# KiCad board SwanGanzInterface_V1.1.kicad_pcb (continued)
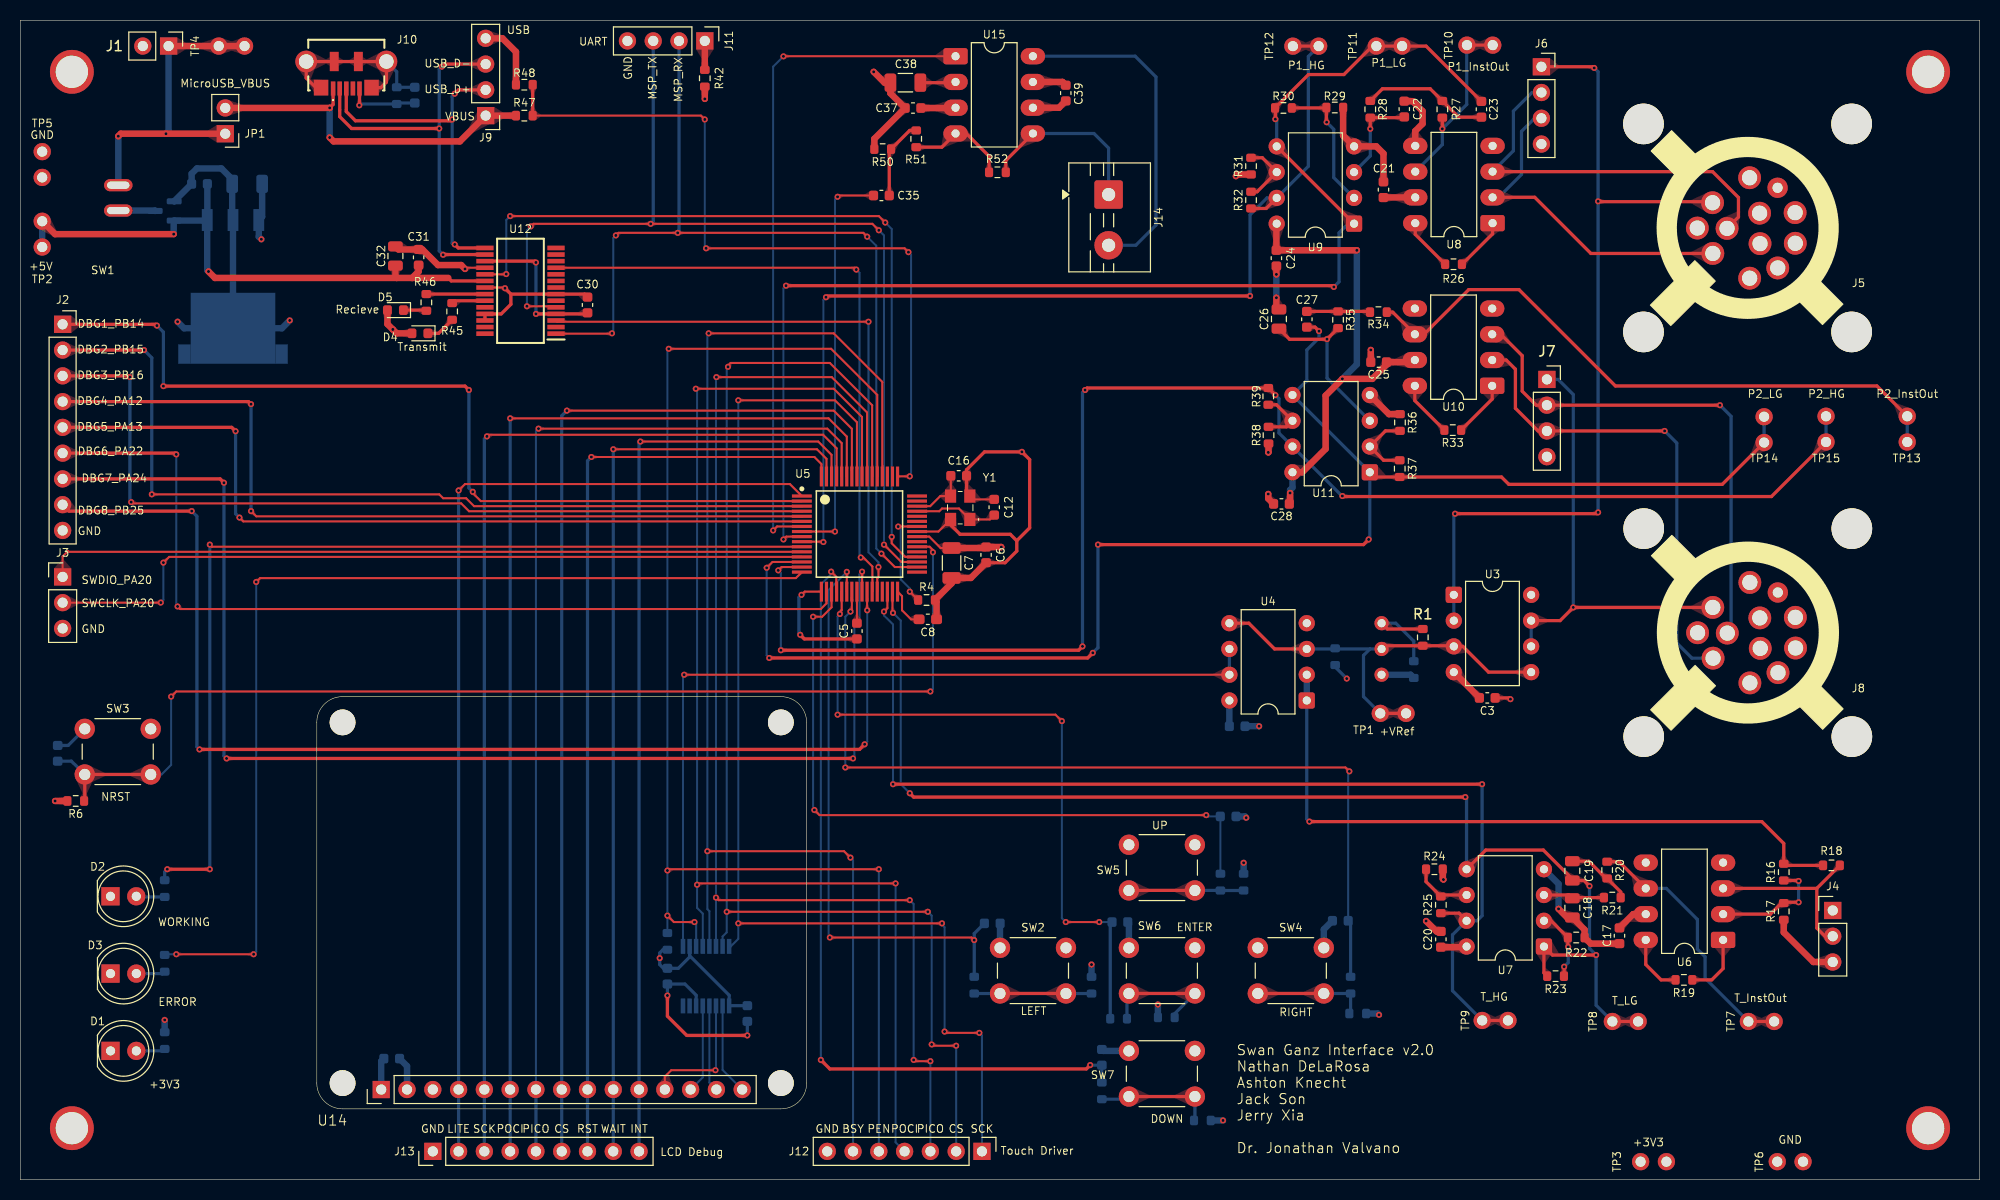
[diagram p0: board, top side]
## Nets
+3V3: C2.1 C3.1 C4.1 C6.1 C7.1 C17.2 C20.1 C21.2 C24.1 C25.2 C28.1 C33.1 C34.1 C36.1 C39.1 D4.2 D5.2 R3.1 R5.1 R6.1 R8.1 R9.1 R12.1 R13.1 R41.1 R42.2 R49.2 TP3.1 TP3.2 U1.3 U3.8 U4.8 U5.40 U6.7 U7.8 U8.7 U9.8 U10.7 U11.8 U13.1 U13.10 U14.1 U15.6
+5V: C1.1 C31.2 C32.2 Q1.2 TP2.1 TP2.2 U1.1 U12.20
+VBUS: J1.1 JP1.1 SW1.1 TP4.1 TP4.2
GND: C1.2 C2.2 C3.2 C4.2 C5.1 C6.2 C7.2 C8.2 C9.2 C10.2 C11.2 C12.1 C13.2 C14.2 C15.2 C16.1 C17.1 C18.2 C20.2 C21.1 C22.2 C24.2 C25.1 C26.2 C28.2 C29.2 C30.2 C31.1 C32.1 C33.2 C34.2 C36.2 C37.1 C38.1 C39.2 D1.1 D2.1 D3.1 J1.2 J2.9 J3.3 J4.3 J5.4 J6.4 J7.4 J8.4 J9.4 J10.5 J11.4 J12.7 J13.1 Q1.1 R2.2 R4.1 R17.2 R22.1 R24.1 R29.1 R31.1 R36.1 R38.1 R40.2 R48.1 R50.2 SW2.1 SW3.1 SW4.1 SW5.1 SW6.1 SW7.1 TP5.1 TP5.2 TP6.1 TP6.2 U1.2 U1.4 U2.3 U3.4 U4.4 U5.17 U5.41 U6.4 U6.5 U7.4 U8.4 U8.5 U9.4 U10.4 U10.5 U11.4 U12.7 U12.18 U12.21 U12.25 U12.26 U13.6 U14.2 U15.7 Y1.2 Y1.4
+VRef: R1.1 R3.2 TP1.1 TP1.2 U2.2 U3.3 U3.5 U4.3 U4.5
/Power/SW_TO_FET: Q1.3 SW1.2
DBG1_PB14: J2.1 U5.2
DBG2_PB15: J2.2 U5.3
DBG3_PB16: J2.3 U5.4
DBG4_PA12: J2.4 U5.5
DBG5_PA13: J2.5 U5.6
DBG6_PA22: J2.6 U5.18
DBG7_PA24: J2.7 U5.25
DBG8_PB25: J2.8 U5.26
FT_+3V3: C30.1 U12.4 U12.17
FT_RST_PA29: U5.36 U12.19
HFXIN: C12.2 U5.45 Y1.1
HFXOUT: C16.2 U5.46 Y1.3
LCD_CS_PB6: J13.6 U5.58 U14.8
LCD_INT_PB10: J13.9 U5.62 U14.11
LCD_LITE_PB13: J13.2 U5.1 U14.4
LCD_PICO_PB8: J13.5 U5.60 U14.7
LCD_POCI_PB7: J13.4 U5.59 U14.6
LCD_RST_PB12: J13.7 U5.64 U14.9
LCD_SCK_PB9: J13.3 U5.61 U14.5
LCD_WAIT_PB11: J13.8 U5.63 U14.10
LCD_X+: U13.2 U14.15
LCD_X-: U13.4 U14.14
LCD_Y+: U13.3 U14.12
LCD_Y-: U13.5 U14.13
LED_ER_PB19: R44.1 U5.16
LED_WRK_PA18: R43.1 U5.11
MICRO_VBUS: J9.1 J10.1 JP1.2 R47.1
MSP_CTS_PB26_FT_RTS: U5.28 U12.3
MSP_NRST: C10.1 R6.2 SW3.2 U5.38
MSP_RTS_PB25_FT_CTS: U5.27 U12.11
MSP_RX_PA1_FT_TX: J11.2 U5.34 U12.1
MSP_TX_PA28_FT_RX: J11.3 U5.35 U12.5
P1__InstrOut: R27.1 TP10.1 TP10.2 U8.6
P1_HG_A1.2: R32.2 TP12.1 TP12.2 U5.10 U9.7
P1_LG_A1.1: C23.2 R30.2 TP11.1 TP11.2 U5.9 U9.1 U9.5
P1_SIG+: J5.2 J6.2 U8.3
P1_SIG-: J5.3 J6.3 U8.2
P1_VCC: J5.1 J6.1 U3.1 U3.2
P2__InstrOut: R34.1 TP13.1 TP13.2 U10.6
P2_HG_A1.5: R39.2 TP15.1 TP15.2 U5.15 U11.7
P2_LG_A1.4: C27.2 R37.2 TP14.1 TP14.2 U5.14 U11.1 U11.5
P2_SIG+: J7.2 J8.2 U10.3
P2_SIG-: J7.3 J8.3 U10.2
P2_VCC: J7.1 J8.1 U3.6 U3.7
PENIRQ_PB5: J12.5 R49.1 U5.53 U13.11
SPEAK_CD_PA14: U5.7 U15.1
SPEAK_DAC_PA15: C35.1 U5.8
SW_DOWN_PB21: C15.1 R15.2 U5.20
SW_DOWN_PB24: C11.1 R10.2 U5.23
SW_ENTER_PB22: C14.1 R14.2 U5.21
SW_LEFT_PB23: C9.1 R7.2 U5.22
SW_UP_PB20: C13.1 R11.2 U5.19
SWCLK_PA20: J3.2 U5.13
SWDIO_PA19: J3.1 U5.12
THERM__HG_A0.1: R25.2 TP9.1 TP9.2 U5.30 U7.7
Therm__InstrOut: R20.1 TP7.1 TP7.2 U6.6
THERM_LG_A0.0: C19.2 R23.2 TP8.1 TP8.2 U5.31 U7.1 U7.5
Therm_Voltage+: R16.1 R18.1 U4.1 U4.2
TOUCH_BSY_PB4: J12.6 U5.52 U13.13
TOUCH_CS0_PA8: J12.2 U5.54 U13.15
TOUCH_PICO_PA9: J12.3 U5.55 U13.14
TOUCH_POCI_PA10: J12.4 U5.56 U13.12
TOUCH_SCK_PA11: J12.1 U5.57 U13.16
Touch_VRef: U4.6 U4.7 U13.9
USB_CBUS0: R45.1 U12.23
USB_CBUS1: R46.1 U12.22
USB_CONN_PA7: R47.2 R48.2 U5.49
USB_D+: J9.2 J10.3 U12.15
USB_D-: J9.3 J10.2 U12.16
USB_MP: C29.1 J10.MH1 J10.MH2 J10.MP1 J10.MP2 J10.MP3 J10.MP4 R40.1
Net-(C19-Pad1): C19.1 R20.2 R21.1
Net-(C23-Pad1): C23.1 R27.2 R28.1
Net-(C27-Pad1): C27.1 R34.2 R35.1
Net-(C35-Pad2): C35.2 R50.1 R51.1
Net-(D1-A): D1.2 R41.2
Net-(D2-A): D2.2 R43.2
Net-(D3-A): D3.2 R44.2
Net-(D4-K): D4.1 R45.2
Net-(D5-K): D5.1 R46.2
Net-(J4-Pin_2): J4.2 R18.2 U6.3
Net-(J11-Pin_1): J11.1 R42.1
Net-(J14-SIG+): J14.1 R52.2 U15.5
Net-(J14-SIG-): J14.2 U15.8
Net-(R1-Pad2): R1.2 R2.1 U2.1
Net-(R5-Pad2): R5.2 R7.1 SW2.2
Net-(R10-Pad1): R8.2 R10.1 SW4.2
Net-(R11-Pad1): R9.2 R11.1 SW5.2
Net-(R12-Pad2): R12.2 R14.1 SW6.2
Net-(R13-Pad2): R13.2 R15.1 SW7.2
Net-(U5-PA2_ROSC): R4.2 U5.42
Net-(U5-PA23_VREF+): C5.2 U5.24
Net-(U5-VCORE): C8.1 U5.32
Net-(U6--IN): R16.2 R17.1 U6.2
Net-(U6-RG+): R19.1 U6.1
Net-(U6-RG-): R19.2 U6.8
Net-(U7A-+): C18.1 R21.2 U7.3
Net-(U7A--): R22.2 R23.1 U7.2
Net-(U7B--): R24.2 R25.1 U7.6
Net-(U8-RG+): R26.1 U8.1
Net-(U8-RG-): R26.2 U8.8
Net-(U9A-+): C22.1 R28.2 U9.3
Net-(U9A--): R29.2 R30.1 U9.2
Net-(U9B--): R31.2 R32.1 U9.6
Net-(U10-RG+): R33.1 U10.1
Net-(U10-RG-): R33.2 U10.8
Net-(U11A-+): C26.1 R35.2 U11.3
Net-(U11A--): R36.2 R37.1 U11.2
Net-(U11B--): R38.2 R39.1 U11.6
Net-(U15-FC1): C37.2 U15.3
Net-(U15-FC2): C38.2 U15.2
Net-(U15-VIN): R51.2 R52.1 U15.4

Pads without a net: H1 1; H2 1; H3 1; H4 1; J4 1; J5 5 6 7 8 9 10 11 12; J8 5 6 7 8 9 10 11 12; J10 4; U5 29 33 37 39 43 44 47 48 50 51; U12 2 6 8 9 10 12 13 14 24 27 28; U13 7 8; U14 3

## Via types
v1: diameter 0.6, hole 0.3, Top to Bottom, 210 vias

## Routing (per net, layer and track width the routed paths; a pad name or vN(x,y) marks a point on that pad's centre or on a via; arc(x,y) is an arc through that point)
+3V3: length 112.8
  Top w0.2: U5.40 89.55,63.4 90.67,62.27 91.75,62.27
  Top w0.318: C3.1 146.69,47.5 v1(146.81,47.37)
  Top w0.635: 91.75,62.27 95.05,62.27 C6.1 96.63,62.37 v1(96.65,62.36) ; U9.8 123.75,94.22 C24.1 v1(131.67,91.62) ; D5.2 36.17,84.35 v1(36.7,83.82) 37.08,83.44 D4.2 ; R42.2 v1(67.44,106.55) ; C28.1 125.1,66.7 v1(125.1,67.7) ; U6.7 158.91,26.18 C17.2 ; C39.1 102.33,105.68 U15.6 ; C20.1 142.43,22.92 U7.8 ; 142.42,22.92 142.48,22.99 ; U8.7 134.31,96.84 C21.2 ; R6.1 v1(3.43,37.34) ; 125.34,69.74 126.29,69.74 128.6,72.05 128.6,77.3 v1(130.25,78.95) 133.2,78.95 134.6,80.35 C25.2 137.19,80.6 U10.7
  Bottom w0.318: C34.1 69.87,17.16 U13.1 69.84,18.18 65.94,22.08 U13.10 65.94,21.95 64.83,20.84 C33.1 63.36,20.84 62.99,21.21 v1(62.99,21.84) 62.99,22.35 63.31,22.67 R49.2 ; R3.1 129.54,50.55 v1(130.68,49.4)
  Bottom w0.635: R8.1 133.73,16.38 v1(133.86,16.26) ; v1(131.67,91.62) 131.67,80.37 v1(130.25,78.95) ; R13.1 v1(118.49,5.84) ; U14.1 35.56,11.68 C36.1 ; v1(23.75,92.71) 23.5,92.96 23.5,94.61 23.83,94.94 C2.1 ; C4.1 119.11,47.24 U4.8 ; 125.34,69.74 125.34,68.23 125.1,68 v1(125.1,67.7) ; v1(112.08,17.27) R12.1 ; 14.22,14.54 v1(14.22,15.75) ; R9.1 v1(120.52,31.24) ; R5.1 v1(105.54,21.21)
+5V: length 59.7
  Top w0.318: U12.20 42.46,88.6 42.16,88.9
  Top w0.635: C32.2 36.96,89.03 37.08,88.9 ; v1(18.54,89.53) 19.18,88.9 37.08,88.9 ; v1(15.11,93.22) 3.43,93.22 TP2.2 ; C31.2 39.24,89.53 38.61,88.9 ; 37.08,88.9 38.61,88.9 ; 38.61,88.9 42.16,88.9
  Bottom w0.635: v1(15.11,93.22) 15.11,94.51 Q1.2 18.36,94.55 U1.1 ; U1.1 18.41,89.66 v1(18.54,89.53) ; U1.1 18.43,94.62 C1.1 ; TP2.2 TP2.1
+VBUS: length 31.7
  Top w0.635: v1(9.65,102.87) 9.9,103.12 v1(14.35,103.12) JP1.1 ; TP4.2 TP4.1 J1.1
  Bottom w0.635: v1(14.35,103.12) 14.61,103.38 J1.1 ; v1(9.65,102.87) SW1.1
GND: length 241.3
  Top w0.2: v1(76.96,57.66) 77.28,57.97 U5.17 ; U5.41 90.46,63.9 Y1.4 ; C12.1 93.88,67.07 Y1.2 ; U12.18 43.93,89.9 v1(43.82,89.79) ; v1(47.75,87.88) 47.68,87.95 U12.21
  Top w0.318: C6.2 97.02,60.82 98.17,61.98 98.17,62.99 ; 98.17,62.99 97.54,63.63 92.58,63.63 91.65,64.56 Y1.4 ; 98.17,62.99 99.44,64.26 99.44,70.99 v1(98.68,71.75) 95,71.75 93.22,69.98 C16.1 93.22,67.72 Y1.2 ; 48.33,87.3 U12.7 55.58,87.3 C30.2 ; 48.33,87.3 48.33,86.3 47.38,85.35 U12.25 U12.26 ; 48.33,87.3 v1(47.75,87.88) ; v1(33.4,105.92) 33.42,105.93 J10.5 ; v1(63.75,18.16) 63.75,16.13 65.66,14.22 v1(71.63,14.22) ; v1(76.84,53.72) 77.24,53.31 C5.1
  Top w0.635: U8.5 137.43,103.38 138.15,104.1 138.15,105.35 137.17,106.32 C22.2 ; R24.1 140.14,29.65 v1(140.21,29.59) ; R17.2 173.74,24.38 176.66,21.46 J4.3 ; v1(151.55,26.7) 152.4,25.85 152.9,25.85 ; v1(122.95,67.6) 122.95,67.15 C28.2 ; R50.2 84.14,102.61 87.18,105.65 85.72,107.1 C38.1 85.14,108.15 v1(84.07,109.22) ; v1(133.05,81.8) C25.1 ; R48.1 48.83,111.19 47.5,112.52 J9.4 ; C39.2 102.68,108.22 U15.7 ; C26.2 123.75,86.05 v1(123.75,86.95) ; R36.1 134.84,75.47 U11.4 ; v1(119.76,98.93) 119.93,99.1 R31.1 ; 143.75,47.5 143.75,47.52 U3.4 ; C24.2 v1(123.75,89.25) ; 157.55,23.27 154.72,23.27 R22.1 154.11,24.64 152.91,25.85 ; 150.38,71.25 J7.4 ; v1(122.95,71.7) 122.97,71.72 R38.1 ; v1(43.82,89.79) 43.43,90.17 41.15,90.17 39.61,91.71 C31.1 37.26,91.71 36.96,92.01 ; C8.2 90.27,56.99 R4.1 91.75,58.79 C7.2 93.65,59.32 C6.2 ; C20.2 139.53,24.47 v1(138.5,25.5) ; C21.1 134.3,101.16 133.59,101.87 U9.4 130.32,102.94 R29.1
  Bottom w0.318: v1(76.96,57.66) 76.71,57.4 76.71,53.85 v1(76.84,53.72) ; U13.6 66.59,18.18 65.48,19.29 C33.2 v1(63.75,18.16) ; C34.2 v1(71.63,14.22) ; C29.2 37.19,106.15 R40.2 33.53,106.04 v1(33.4,105.92) ; SW3.1 4.71,42.81 C10.2
  Bottom w0.635: U2.3 136.97,49.78 R2.2 ; v1(26.54,84.71) 25.77,83.94 U1.4 ; C36.2 38.1,11.2 U14.2 ; C15.2 106.69,12.7 SW7.1 ; 150.1,30.61 151.55,29.16 v1(151.55,26.7) ; SW2.1 96.52,25.26 C9.2 ; C11.2 128.42,24.67 SW4.1 ; U1.4 16.14,83.94 v1(15.49,84.58) ; U1.4 U1.2 20.88,94.69 C2.2 20.88,98.63 19.81,99.69 17.4,99.69 16.88,99.17 C1.2 Q1.1 ; C14.2 109.22,25.29 SW6.1 ; 133.05,77.45 U11.4 ; C4.2 v1(122.05,44.7) ; v1(123.75,89.25) v1(123.75,86.95) ; v1(120.78,35.69) 120.65,35.81 C13.2
+VRef: length 41.9
  Top w0.318: U4.5 121.03,54.86 123.57,52.32 U4.3 ; TP1.1 TP1.2 ; U3.5 144.65,50.04 142.11,52.58 U3.3 141.16,52.64 R1.1 134.43,52.64 U2.2
  Bottom w0.318: 132.97,52.32 129.6,52.32 R3.2 129.48,52.32 U4.3 ; 132.97,52.32 U2.2 ; 132.97,52.32 132.33,51.69 132.33,47.62 TP1.1
/Power/SW_TO_FET: length 3.7
  Bottom w0.635: Q1.3 13.25,95.54 SW1.2
DBG1_PB14: length 88.9
  Top w0.2: v1(44.58,67.82) 44.58,67.69 45.37,66.9 U5.2
  Top w0.318: v1(14.1,78.23) 43.82,78.23 v1(44.2,77.85) ; J2.1 13.34,84.33 v1(13.46,84.2)
  Bottom w0.318: v1(14.1,78.23) 14.1,83.57 v1(13.46,84.2) ; v1(44.2,77.85) 44.2,68.2 v1(44.58,67.82)
DBG2_PB15: length 87.1
  Top w0.2: U5.3 44.7,66.4 43.92,67.18 41.66,67.18 41.27,67.56 v1(12.95,67.56)
  Top w0.318: J2.2 v1(12.19,81.79)
  Bottom w0.318: v1(12.19,81.79) 12.95,81.03 v1(12.95,67.56)
DBG3_PB16: length 85.5
  Top w0.2: v1(10.92,66.8) 11.05,66.67 43.43,66.67 44.21,65.9 U5.4
  Top w0.318: J2.3 10.67,79.25 v1(10.8,79.12)
  Bottom w0.318: v1(10.8,79.12) 10.8,66.93 v1(10.92,66.8)
DBG4_PA12: length 83.7
  Top w0.2: v1(22.73,65.91) 23.25,65.4 U5.5
  Top w0.318: v1(22.73,76.45) 22.48,76.71 J2.4
  Bottom w0.318: v1(22.73,76.45) v1(22.73,65.91)
DBG5_PA13: length 81.4
  Top w0.2: U5.6 21.97,64.9 v1(21.59,65.28)
  Top w0.318: J2.5 20.83,74.17 v1(21.21,73.79)
  Bottom w0.318: v1(21.21,73.79) 21.21,65.66 v1(21.59,65.28)
DBG6_PA22: length 91.7
  Top w0.2: v1(15.49,56.51) 15.75,56.26 78.87,56.26 79.42,56.82 U5.18
  Top w0.318: v1(15.37,71.5) 15.24,71.63 J2.6
  Bottom w0.2: v1(15.37,71.5) 15.37,56.64 v1(15.49,56.51)
DBG7_PA24: length 125.8
  Top w0.2: v1(82.93,59.94) 82.93,57.98 U5.25
  Top w0.318: v1(82.04,41.53) v1(20.32,41.53) ; J2.7 19.69,69.09 v1(20.07,68.71)
  Bottom w0.2: v1(82.93,59.94) 82.68,59.69 82.68,55.12 82.17,54.61 82.17,41.78 82.04,41.66 v1(82.04,41.53)
  Bottom w0.318: v1(20.32,41.53) 20.07,41.78 v1(20.07,68.71)
DBG8_PB25: length 117.7
  Top w0.2: v1(83.44,56.13) 83.43,56.15 U5.26
  Top w0.318: v1(16.89,65.91) 4.8,65.91 J2.8 ; v1(83.19,42.93) 82.68,42.42 v1(17.65,42.42)
  Bottom w0.2: v1(83.19,42.93) 83.44,43.18 v1(83.44,56.13)
  Bottom w0.318: v1(17.65,42.42) 17.4,42.67 17.4,65.4 v1(16.89,65.91)
FT_+3V3: length 15.3
  Top w0.318: C30.1 55.78,85.35 U12.4 v1(50.8,85.35) ; U12.17 50.67,90.55 v1(50.8,90.42)
  Bottom w0.318: v1(50.8,85.35) v1(50.8,90.42)
FT_RST_PA29: length 80.1
  Top w0.2: v1(47.88,89.28) 47.85,89.25 U12.19 ; v1(85.22,94.36) 84.58,95 v1(48.26,95) ; v1(85.85,63.37) 85.85,62.74 87.19,61.4 U5.36
  Bottom w0.2: v1(85.22,94.36) 85.85,93.73 v1(85.85,63.37) ; v1(47.88,89.28) 47.88,94.61 v1(48.26,95)
HFXIN: length 8.3
  Top w0.2: 95.95,65.52 95.53,65.09 Y1.1 92.48,66.17 90.81,66.17 90.54,65.9 U5.45
HFXOUT: length 5.7
  Top w0.2: U5.46 89.64,66.4 90.63,67.39 Y1.3 91.68,67.42 91.68,69.39
LCD_CS_PB6: length 106.8
  Top w0.2: U5.58 81.92,74.03 80.14,75.82 v1(53.85,75.82)
  Bottom w0.318: v1(53.85,75.82) 53.34,75.31 U14.8 J13.6
LCD_INT_PB10: length 91.5
  Top w0.2: v1(61.09,72.77) 78.61,72.77 79.93,71.46 U5.62
  Bottom w0.318: v1(61.09,72.77) 60.96,72.64 U14.11 J13.9
LCD_LITE_PB13: length 99.7
  Top w0.2: U5.1 75.82,68.58 43.82,68.58 v1(43.18,67.94)
  Bottom w0.318: v1(43.18,67.94) U14.4 J13.2
LCD_PICO_PB8: length 105.1
  Top w0.2: U5.60 80.93,72.62 79.5,74.04 v1(51.05,74.04)
  Bottom w0.2: v1(51.05,74.04) 50.8,73.79 U14.7
  Bottom w0.318: J13.5 U14.7
LCD_POCI_PB7: length 110.1
  Top w0.2: U5.59 81.43,73.26 79.63,75.06 v1(48.26,75.06)
  Bottom w0.318: v1(48.26,75.06) U14.6 J13.4
LCD_RST_PB12: length 92.8
  Top w0.2: v1(56.26,71.25) 78.23,71.25 78.93,70.55 U5.64
  Bottom w0.318: v1(56.26,71.25) 55.88,70.87 U14.9 J13.7
LCD_SCK_PB9: length 108.4
  Top w0.2: v1(45.97,73.28) 46.13,73.44 79.09,73.44 80.42,72.1 U5.61
  Bottom w0.318: J13.3 U14.5 45.72,73.02 v1(45.97,73.28)
LCD_WAIT_PB11: length 92.4
  Top w0.2: U5.63 79.42,71.07 78.49,72.01 v1(58.42,72.01)
  Bottom w0.318: J13.8 U14.10 v1(58.42,72.01)
LCD_X+: length 9
  Bottom w0.2: U13.2 69.19,10.82 U14.15
LCD_X-: length 8.5
  Bottom w0.2: U14.14 67.89,9.58 U13.4
LCD_Y+: length 12.9
  Top w0.2: U14.12 63.5,10.16 64.13,10.79 v1(68.49,10.79)
  Bottom w0.2: v1(68.49,10.79) 68.54,10.84 U13.3
LCD_Y-: length 8.7
  Bottom w0.2: U13.5 67.24,10.09 U14.13
LED_ER_PB19: length 99.8
  Top w0.2: v1(22.99,22.22) v1(15.37,22.22) ; v1(23.24,58.93) 23.62,59.31 76.41,59.31 U5.16
  Bottom w0.2: v1(15.37,22.22) 14.29,22.22 R44.1 ; v1(22.99,22.22) 23.24,22.48 v1(23.24,58.93)
LED_WRK_PA18: length 95.8
  Top w0.2: v1(18.67,62.61) 18.88,62.4 U5.11
  Top w0.318: v1(14.48,30.61) v1(18.67,30.61)
  Bottom w0.318: v1(14.48,30.61) 14.22,30.35 R43.1 ; v1(18.67,30.61) v1(18.67,62.61)
MICRO_VBUS: length 34.8
  Top w0.318: v1(30.48,105.66) 30.82,106 J10.1
  Top w0.635: v1(30.48,105.66) 30.48,105.66 20.19,105.66 ; v1(30.48,102.74) 30.86,102.36 43.31,102.36 J9.1 R47.1
  Bottom w0.635: v1(30.48,102.74) v1(30.48,105.66)
MSP_CTS_PB26_FT_RTS: length 57.9
  Top w0.2: v1(83.57,84.58) 52.9,84.58 U12.3 ; U5.28 84.42,59.28 84.55,59.4 v1(84.55,60.4)
  Bottom w0.2: v1(84.55,60.4) 84.55,60.87 83.57,61.85 v1(83.57,84.58)
MSP_NRST: length 112.2
  Top w0.2: v1(89.92,61.85) 89.92,62.07 89.59,62.4 U5.38 ; v1(14.86,47.62) 15.37,48.13 v1(89.66,48.13)
  Top w0.318: SW3.2 SW3.2 6.35,37.4 R6.2
  Bottom w0.2: v1(89.92,61.85) 89.92,48.39 v1(89.66,48.13) ; SW3.2 13.91,39.95 14.86,40.89 v1(14.86,47.62)
  Bottom w0.318: C10.1 5.04,41.26 SW3.2
MSP_RTS_PB25_FT_CTS: length 62.2
  Top w0.2: v1(82.36,89.73) 82.18,89.9 U12.11 ; v1(82.8,61.34) 83.06,61.34 83.95,60.45 83.95,58 U5.27
  Bottom w0.2: v1(82.36,89.73) 82.68,89.41 82.68,61.47 v1(82.8,61.34)
MSP_RX_PA1_FT_TX: length 95.2
  Top w0.2: U5.34 86.16,60.4 v1(84.84,61.72) ; v1(83.44,92.96) 83.06,93.34 v1(64.77,93.34) 58.93,93.34 v1(58.67,93.09) ; v1(58.29,83.44) 58.26,83.4 U12.1
  Bottom w0.2: v1(58.29,83.44) 58.42,83.57 58.42,92.84 v1(58.67,93.09) ; v1(84.84,61.72) 84.33,62.23 84.33,92.07 v1(83.44,92.96)
  Bottom w0.318: v1(64.77,93.34) 64.9,93.47 J11.2
MSP_TX_PA28_FT_RX: length 98.9
  Top w0.2: v1(85.09,62.61) 86.8,60.9 U5.35 ; v1(84.58,93.6) 83.95,94.23 v1(62.1,94.23) 50.55,94.23 v1(50.29,93.98) ; U12.5 52.68,86.11 v1(49.91,86.11)
  Bottom w0.2: v1(84.58,93.6) 85.09,93.09 v1(85.09,62.61) ; v1(50.29,93.98) 49.91,93.6 v1(49.91,86.11)
  Bottom w0.318: J11.3 62.36,94.49 v1(62.1,94.23)
P1__InstrOut: length 18.2
  Top w0.318: TP10.2 TP10.1 ; v1(140.1,103.6) R27.1
  Bottom w0.318: U8.6 140.1,102.05 v1(140.1,103.6) 142.5,106 142.5,111.82 TP10.1
P1_HG_A1.2: length 101.7
  Top w0.2: v1(79.12,62.86) 79.09,62.9 U5.10 ; 79.5,87.12 v1(79.38,86.99)
  Top w0.318: v1(121.16,87.12) 79.5,87.12 ; TP12.1 TP12.2 ; R32.2 122.74,95.75 U9.7
  Bottom w0.2: v1(79.38,86.99) 79.12,86.74 v1(79.12,62.86)
  Bottom w0.318: v1(121.16,87.12) 121.16,95.12 122.82,96.79 U9.7 126.9,99.91 126.9,110.73 TP12.2
P1_LG_A1.1: length 128.2
  Top w0.2: U5.9 75.46,63.4 v1(75.18,63.12)
  Top w0.318: C23.2 138.5,111.75 133.2,111.75 130.4,108.95 126.91,108.95 R30.2 123.65,105.63 v1(123.65,104.55) ; U9.5 U9.1 ; v1(129.41,88.01) 129.29,88.14 v1(75.44,88.14)
  Bottom w0.2: v1(75.18,63.12) 75.18,87.88 v1(75.44,88.14)
  Bottom w0.318: U9.5 123.78,104.42 v1(123.65,104.55) ; v1(129.41,88.01) 129.92,88.52 129.92,93.34 130.83,94.25 U9.1
P1_SIG+: length 39.3
  Top w0.318: U8.3 166.72,99.38 169.27,96.83 169.27,94.91 J5.2
  Bottom w0.318: U8.3 147.1,101.43 147.1,105.35 148.93,107.18 150,107.18
P1_SIG-: length 34.7
  Top w0.318: U8.2 145.06,96.85 149.2,96.85 154.74,91.31 J5.3
  Bottom w0.318: U8.2 145.64,96.84 147.9,99.1 147.9,103.35 149.19,104.64 150,104.64
P1_VCC: length 85.2
  Top w0.318: v1(155.07,109.6) 154.95,109.72 150,109.72 ; v1(141.35,65.66) 155.32,65.66 v1(155.45,65.79) ; v1(155.45,96.45) 155.7,96.45 155.73,96.42 166.81,96.42
  Bottom w0.318: v1(155.07,109.6) 155.45,109.22 v1(155.45,96.45) v1(155.45,65.79) ; U3.2 U3.1 141.23,65.54 v1(141.35,65.66)
P2__InstrOut: length 61.7
  Top w0.318: 185.9,75.26 182.91,78.25 157.15,78.25 147.65,87.75 142.7,87.75 138.29,83.34 U10.6 135.21,85.52 R34.1
  Bottom w0.318: 185.9,75.26 TP13.1
P2_HG_A1.5: length 149.9
  Top w0.2: U5.15 75,60.4 v1(74.68,60.07)
  Top w0.318: v1(130.25,67.4) 130.3,67.35 172.53,67.35 TP15.1 ; v1(123.65,77.35) R39.2 105.1,78.05 v1(104.9,77.85) ; v1(74.93,52.2) 104.27,52.2 v1(104.65,52.58)
  Bottom w0.2: v1(74.68,60.07) 74.93,59.82 v1(74.93,52.2)
  Bottom w0.318: v1(123.65,77.35) 124,77 124,73.61 130.22,67.4 ; v1(104.65,52.58) 104.65,77.6 v1(104.9,77.85) ; 177.9,75.26 TP15.1
P2_LG_A1.4: length 152.3
  Top w0.2: v1(73.53,60.32) 74.11,60.9 U5.14
  Top w0.318: TP14.1 167.67,68.55 146.65,68.55 145.92,69.27 R37.2 133.42,69.27 U11.1 ; v1(127.95,83.65) 127.55,84.05 C27.2 ; v1(73.79,51.43) 105.16,51.43 v1(105.66,51.94) ; v1(106.17,62.61) 132.33,62.61 v1(132.84,63.12)
  Bottom w0.2: v1(73.79,51.43) 73.53,51.69 v1(73.53,60.32)
  Bottom w0.318: TP14.2 TP14.1 ; v1(106.17,62.61) 106.17,52.45 v1(105.66,51.94) ; v1(132.84,63.12) 132.95,63.23 U11.1 125.34,77.36 126.75,78.77 126.75,81.8 127.95,83 v1(127.95,83.65)
P2_SIG+: length 50.5
  Top w0.318: U10.3 145.86,83.34 147.97,81.23 147.97,77.73 149.34,76.35 J7.2 167.44,76.35 v1(167.45,76.35)
  Bottom w0.318: v1(167.45,76.35) 168.55,75.25 168.55,54.26 J8.2
P2_SIG-: length 47.7
  Top w0.318: U10.2 145.01,80.8 146.4,80.8 147.3,79.9 147.3,76.05 149.53,73.81 J7.3 v1(162,73.81)
  Bottom w0.318: v1(162,73.81) 163.2,72.61 163.2,52.9 164.68,51.42 J8.3
P2_VCC: length 45.2
  Top w0.318: U3.7 151.7,55.12 v1(153,56.42) J8.1
  Bottom w0.318: U3.7 U3.6 ; v1(153,56.42) 153,77.4 151.5,78.89 J7.1
PENIRQ_PB5: length 142.2
  Top w0.2: v1(63.75,26.03) 64.39,25.4 v1(66.42,25.4) ; v1(63.75,30.48) 63.88,30.61 v1(84.58,30.61) ; v1(63.88,81.91) 79.88,81.91 84.42,77.37 U5.53
  Bottom w0.2: J12.5 v1(84.58,30.61) ; U13.11 66.59,25.23 v1(66.42,25.4) ; R49.1 v1(63.75,26.03) v1(63.75,30.48) 63.75,81.79 v1(63.88,81.91)
SPEAK_CD_PA14: length 67.1
  Top w0.2: v1(75.18,110.74) 75.2,110.76 U15.1 ; U5.7 74.56,64.4 v1(74.17,64.01)
  Bottom w0.2: v1(74.17,64.01) 74.17,109.73 v1(75.18,110.74)
SPEAK_DAC_PA15: length 40
  Top w0.2: v1(80.26,63.9) U5.8 ; v1(80.52,96.9) 80.65,97.03 C35.1
  Bottom w0.2: v1(80.26,63.9) 80.26,96.65 v1(80.52,96.9)
SW_DOWN_PB21: length 80.7
  Top w0.2: U5.20 80.39,58.01 80.39,59.44 v1(79.88,59.94)
  Top w0.318: v1(78.87,11.81) 79.76,10.92 105.03,10.92 v1(105.41,11.3)
  Bottom w0.2: v1(78.87,11.81) 78.87,58.67 79.88,59.69 v1(79.88,59.94)
  Bottom w0.318: R15.2 C15.1 105.42,11.29 v1(105.41,11.3)
SW_DOWN_PB24: length 87.8
  Top w0.2: v1(130.94,40.26) 130.56,40.64 v1(81.28,40.64) ; U5.23 81.92,56.14 v1(81.79,56.01)
  Bottom w0.2: v1(130.94,40.26) 130.82,40.14 C11.1 ; v1(81.28,40.64) 81.28,55.5 v1(81.79,56.01)
  Bottom w0.318: C11.1 131.06,25.29 R10.2
SW_ENTER_PB22: length 68.8
  Top w0.2: U5.21 80.93,56.16 80.74,55.98 v1(80.74,55.77) ; v1(80.52,45.85) 101.98,45.85 v1(102.62,45.21) ; v1(103,25.4) v1(106.3,25.4)
  Bottom w0.2: v1(106.3,25.4) C14.1 ; v1(102.62,45.21) 102.62,25.78 v1(103,25.4) ; v1(80.74,55.77) 80.52,55.54 v1(80.52,45.85)
  Bottom w0.318: R14.2 107.38,25.22 C14.1
SW_LEFT_PB23: length 58.8
  Top w0.2: v1(79.76,23.88) 93.73,23.88 v1(93.98,23.62) ; U5.22 v1(81.43,59.93)
  Bottom w0.2: v1(81.43,59.93) 79.63,58.13 79.63,24 v1(79.76,23.88)
  Bottom w0.318: R7.2 v1(93.98,23.62) 93.98,24.27 C9.1
SW_UP_PB20: length 68.8
  Top w0.2: v1(116.84,35.94) 78.74,35.94 v1(78.23,36.45) ; U5.19 79.93,56.43 78.99,55.5 v1(78.1,55.5)
  Bottom w0.2: v1(78.23,36.45) 78.1,36.58 v1(78.1,55.5) ; R11.2 118.24,35.8 C13.1 116.97,35.81 v1(116.84,35.94)
SWCLK_PA20: length 76.9
  Top w0.2: U5.13 14.66,61.4 v1(14.1,60.83) ; v1(13.84,56.9) 13.84,56.89 J3.2
  Bottom w0.2: v1(13.84,56.9) 14.1,57.15 v1(14.1,60.83)
SWDIO_PA19: length 75.1
  Top w0.2: J3.1 4.17,61.45 4.7,61.98 4.78,61.9 U5.12
THERM__HG_A0.1: length 109.2
  Top w0.2: U5.30 85.43,56.34 v1(85.09,56.01)
  Top w0.318: R25.2 141.74,26.27 U7.7 ; TP9.1 TP9.2 ; v1(144.02,38.99) v1(85.98,38.99)
  Bottom w0.2: v1(85.09,56.01) 85.09,55.63 85.98,54.74 v1(85.98,38.99)
  Bottom w0.318: v1(144.02,38.99) 144.02,26.03 143.51,25.53 142.48,25.53 141.1,24.14 141.1,18.62 TP9.1
Therm__InstrOut: length 25.9
  Top w0.318: R20.1 157.51,31.35 U6.6 ; TP7.2 TP7.1
  Bottom w0.318: TP7.1 165.99,19.86 165.99,21.97 165.23,22.73 165.23,25.65 162.16,28.72 U6.6
THERM_LG_A0.0: length 122.5
  Top w0.2: v1(85.98,55.88) 85.93,55.93 U5.31
  Top w0.318: v1(154.6,28.95) 154.05,29.5 C19.2 ; 152.95,29.5 152.95,29.6 150.05,32.5 144.38,32.5 142.48,30.61 ; v1(155.25,22.15) 150.95,22.15 U7.1 150.11,20.39 R23.2 ; v1(87.63,38.1) 88.01,37.72 v1(142.37,37.72) ; TP8.1 TP8.2
  Bottom w0.2: v1(87.63,38.1) 86.74,38.99 86.74,55.12 v1(85.98,55.88)
  Bottom w0.318: v1(142.37,37.72) 142.48,37.6 142.48,30.61 ; v1(154.6,28.95) 154.6,22.8 v1(155.25,22.15) 155.25,17.2 TP8.1
Therm_Voltage+: length 68.2
  Top w0.318: v1(127,35.31) 171.58,35.31 173.74,33.15 R16.1 173.9,30.99 R18.1
  Bottom w0.318: v1(127,35.31) 126.74,35.56 U4.1
  Bottom w0.635: U4.1 U4.2
TOUCH_BSY_PB4: length 132.4
  Top w0.2: U5.52 84.93,78.65 80.14,83.44 v1(67.82,83.44) ; v1(81.79,31.75) 81.15,32.38 v1(67.69,32.38)
  Bottom w0.2: v1(67.82,83.44) 67.69,83.31 v1(67.69,32.38) 67.69,26.67 67.89,26.47 U13.13 ; v1(81.79,31.75) 82.04,31.5 J12.6
TOUCH_CS0_PA8: length 126.5
  Top w0.2: v1(89.79,13.33) 89.92,13.21 v1(92.2,13.21) ; v1(89.41,26.42) v1(69.6,26.42) ; U5.54 83.93,76.35 79.76,80.52 69.98,80.52 69.72,80.26 v1(69.72,80.14)
  Bottom w0.2: U13.15 69.19,23.98 69.6,24.38 v1(69.6,26.42) 69.6,80.01 v1(69.72,80.14) ; J12.2 v1(92.2,13.21) ; v1(89.41,26.42) 89.79,26.03 v1(89.79,13.33)
TOUCH_PICO_PA9: length 124.4
  Top w0.2: v1(68.54,27.81) 68.79,27.56 v1(87.63,27.56) ; v1(68.58,79.12) 79.94,79.12 83.43,75.64 U5.55 ; v1(88.01,11.81) 88.14,11.68 v1(89.66,11.68)
  Bottom w0.2: v1(68.58,79.12) 68.54,79.08 v1(68.54,27.81) U13.14 ; v1(87.63,27.56) 88.01,27.18 v1(88.01,11.81) ; J12.3 v1(89.66,11.68)
TOUCH_POCI_PA10: length 125.1
  Top w0.2: v1(86.23,29.21) 66.8,29.21 v1(66.68,29.08) ; U5.56 82.93,75.19 80.14,77.98 v1(66.55,77.98)
  Bottom w0.2: v1(66.55,77.98) 66.68,77.85 v1(66.68,29.08) 66.68,26.8 67.24,26.23 U13.12 ; v1(86.23,29.21) 86.23,3.68 J12.4
TOUCH_SCK_PA11: length 118.3
  Top w0.2: U5.57 82.43,74.67 80.26,76.83 v1(70.74,76.83) ; v1(91.06,14.6) 91.19,14.48 v1(94.49,14.48) ; v1(90.81,25.27) v1(70.74,25.27)
  Bottom w0.2: v1(90.81,25.27) 90.81,25.15 91.06,24.89 v1(91.06,14.6) ; v1(70.74,76.83) v1(70.74,25.27) 70.74,23.75 69.99,23 U13.16 ; J12.1 94.74,14.22 v1(94.49,14.48)
Touch_VRef: length 83.1
  Top w0.2: v1(65.41,49.78) U4.7
  Bottom w0.2: U13.9 65.29,49.67 v1(65.41,49.78)
  Bottom w0.318: U4.6 U4.7
USB_CBUS0: length 3.3
  Top w0.318: U12.23 42.78,86.65 R45.1
USB_CBUS1: length 5.8
  Top w0.318: R46.1 45.77,87.31 U12.22
USB_CONN_PA7: length 76.5
  Top w0.2: v1(67.44,104.52) 67.06,104.9 R47.2 ; U5.49 86.44,69.34 v1(87.63,69.34) ; v1(67.56,91.82) 87.12,91.82 v1(87.5,91.44)
  Top w0.318: R48.2 R47.2
  Bottom w0.2: v1(67.56,91.82) 67.44,91.95 v1(67.44,104.52) ; v1(87.5,91.44) 87.76,91.19 87.76,69.47 v1(87.63,69.34)
USB_D+: length 34.6
  Top w0.318: J10.3 32.12,105.3 33.02,104.39 42.42,104.39 v1(42.54,104.52) ; J9.2 43.18,107.44 v1(42.8,107.06) ; v1(42.8,92.2) 43.15,91.85 U12.15
  Bottom w0.318: v1(42.8,107.06) 42.54,106.81 v1(42.54,104.52) 42.54,92.33 42.67,92.2 v1(42.8,92.2)
USB_D-: length 40.4
  Top w0.318: J9.3 41.78,109.98 v1(41.53,109.73) ; v1(41.27,103.63) 32.64,103.63 31.47,104.8 J10.2 ; v1(41.66,91.19) 41.68,91.2 U12.16
  Bottom w0.318: v1(41.66,91.19) 41.27,91.57 v1(41.27,103.63) 41.27,109.47 v1(41.53,109.73)
USB_MP: length 19.8
  Top w0.318: J10.MP1 29.12,107.66 28.17,108.61 J10.MH1 J10.MP4 J10.MP3 J10.MH2 36.07,108.2 35.52,107.66 J10.MP2
  Bottom w0.318: C29.1 R40.1 37.08,107.69 37.08,109.22 J10.MH2
Net-(C19-Pad1): length 6.6
  Top w0.318: C19.1 154.53,31.4 156.23,29.7 R20.2 157.67,28.37 R21.1
Net-(C23-Pad1): length 12.6
  Top w0.318: C23.1 141.7,104.75 R27.2 138.9,107.55 134.2,107.55 R28.1
Net-(C27-Pad1): length 6.3
  Top w0.318: R34.2 132.9,85.6 R35.1 C27.1
Net-(C35-Pad2): length 7.9
  Top w0.318: C35.2 85.61,101.23 85.79,101.41 R50.1 87.63,103.44 R51.1 ; 85.68,101.55 85.68,101.57
Net-(D1-A): length 2.9
  Bottom w0.318: R41.2 14.03,12.7 D1.2
Net-(D2-A): length 2.8
  Bottom w0.318: R43.2 11.49,27.88 D2.2
Net-(D3-A): length 2.9
  Bottom w0.318: D3.2 14.03,20.32 R44.2
Net-(D4-K): length 2.9
  Top w0.318: R45.2 41.21,83.44 D4.1
Net-(D5-K): length 2.3
  Top w0.318: D5.1 39.94,85.72 R46.2
Net-(J4-Pin_2): length 18.3
  Top w0.318: U6.3 176.99,28.72 ; 176.99,28.72 R18.2 ; 176.99,28.72 176.99,24.81 177.8,24 J4.2
Net-(J11-Pin_1): length 2.9
  Top w0.635: J11.1 R42.1
Net-(J14-SIG+): length 17.6
  Top w0.318: U15.5 97.09,100.47 R52.2
  Bottom w0.318: U15.5 105.78,103.14 107.22,101.69 J14.1
Net-(J14-SIG-): length 33.1
  Bottom w0.318: U15.8 109.84,110.76 111.89,108.71 111.89,94.11 109.9,92.12 J14.2
Net-(R1-Pad2): length 10.2
  Top w0.318: R1.2 134.68,54.29 U2.1
  Bottom w0.318: R2.1 137.29,53.09 135.51,54.86 U2.1
Net-(R5-Pad2): length 11.6
  Top w0.318: SW2.2 SW2.2
  Bottom w0.318: SW2.2 103.03,18.35 R5.2 ; R7.1 96.51,18.35 SW2.2
Net-(R10-Pad1): length 11.2
  Top w0.318: SW4.2 SW4.2
  Bottom w0.318: R8.2 131.06,16.51 R10.1 131.06,18.36 SW4.2
Net-(R11-Pad1): length 11.3
  Top w0.318: SW5.2 SW5.2
  Bottom w0.318: SW5.2 118.23,28.52 R11.1 R9.2
Net-(R12-Pad2): length 12.2
  Top w0.318: SW6.2 SW6.2
  Bottom w0.318: R14.1 109.03,18.17 SW6.2 ; SW6.2 113.73,16.37 R12.2
Net-(R13-Pad2): length 11.7
  Top w0.318: SW7.2 SW7.2
  Bottom w0.318: SW7.2 115.72,5.93 R13.2 ; SW7.2 108.96,7.94 R15.1
Net-(U5-PA2_ROSC): length 9.9
  Top w0.2: v1(86.49,64.39) 86.5,64.4 U5.42 ; v1(87.63,57.98) R4.2
  Bottom w0.2: v1(87.63,57.98) 87.63,58.29 86.74,59.18 86.74,64.13 v1(86.49,64.39)
Net-(U5-PA23_VREF+): length 3.1
  Top w0.2: C5.2 82.43,54.87 U5.24
Net-(U5-VCORE): length 4.1
  Top w0.2: C8.1 87.76,55.24 86.87,56.13 86.87,57.53 U5.32
Net-(U6--IN): length 11.6
  Top w0.318: v1(175.2,29.45) 175.15,29.5 R16.2 ; v1(175.2,27.35) 173.81,27.35 R17.1 173.51,27.27 172.42,26.18 U6.2 ; 173.82,27.35 173.75,27.27
  Bottom w0.318: v1(175.2,29.45) v1(175.2,27.35)
Net-(U6-RG+): length 6.3
  Top w0.318: R19.1 166.64,19.7 167.76,20.82 U6.1
Net-(U6-RG-): length 6
  Top w0.318: R19.2 161.66,19.7 160.14,21.22 U6.8
Net-(U7A-+): length 6.1
  Top w0.318: C18.1 152.97,27.81 R21.2 ; 150.1,28.07 152.58,28.07 152.9,27.75
Net-(U7A--): length 7.1
  Top w0.318: v1(152.5,22.95) 152.46,22.99 R22.2 150.81,25.53 U7.2 ; v1(152.1,21) 152.1,20.07 152.07,20.05
  Bottom w0.318: v1(152.1,21) 152.5,21.4 v1(152.5,22.95)
Net-(U7B--): length 5.9
  Top w0.318: R24.2 138.49,29.38 139.95,27.92 140.1,28.07 U7.6
Net-(U8-RG+): length 5.3
  Top w0.318: R26.1 142.05,90.25 145.05,93.25 U8.1
Net-(U8-RG-): length 5.3
  Top w0.318: U8.8 137.43,93.19 R26.2
Net-(U9A-+): length 9.4
  Top w0.318: C22.1 136.28,104.7 R28.2 v1(133,103.6)
  Bottom w0.318: U9.3 133,100.93 v1(133,103.6)
Net-(U9A--): length 13.5
  Top w0.318: R30.1 128.63,105.66 R29.2 128.67,104.27 v1(128.7,104.25)
  Bottom w0.318: v1(128.7,104.25) 129.4,103.55 129.4,98.79 U9.2
Net-(U9B--): length 6.4
  Top w0.318: R32.1 121.85,97.4 U9.6 122.36,100.75 R31.2
Net-(U10-RG+): length 5.6
  Top w0.318: U10.1 145.01,76.96 R33.1
Net-(U10-RG-): length 5.6
  Top w0.318: U10.8 137.39,76.81 R33.2
Net-(U11A-+): length 16.5
  Top w0.318: R35.2 v1(128.74,82.86) 128.72,82.85 125.05,82.85 C26.1
  Bottom w0.318: U11.3 128.74,79.04 v1(128.74,82.86)
Net-(U11A--): length 7.1
  Top w0.318: 135.9,70.92 134.31,70.92 U11.2 134.5,73.82 R36.2
Net-(U11B--): length 5.6
  Top w0.318: R39.1 123.75,76.4 125.34,74.82 124.74,74.22 R38.2
Net-(U15-FC1): length 3.4
  Top w0.635: C37.2 92.11,105.65 U15.3
Net-(U15-FC2): length 3.5
  Top w0.318: U15.2 92.07,108.15 88.68,108.15
Net-(U15-VIN): length 10.2
  Top w0.318: 88.27,101.79 90.79,101.79 U15.4 93.2,103.14 95.44,100.9 R52.1

## Copper pours and planes (outline as drawn; the poured copper is in the pictures)
+3V3 on In2.Cu: 0,114.3 193.04,114.3 193.04,0 0,0
GND on In1.Cu: 0,114.3 193.04,114.3 193.04,0 0,0

Small or netless copper shapes (teardrops, artwork), in the pictures only: 559 on Top, 404 on Bottom

## Text on the board
B.Silkscreen: Swan Ganz Interface v2.0 / Nathan DeLaRosa / Ashton Knecht / Jack Son / Jerry Xia / Dr. Jonathan Valvano
F.Silkscreen: DBG2_PB15 | DBG3_PB16 | DBG4_PA12 | DBG5_PA13 | DBG1_PB14 | DBG6_PA22 | DBG8_PB25 | GND | DBG7_PA24 | SWDIO_PA20 | SWCLK_PA20 | Recieve | Transmit | USB_D- | USB_D+ | VBUS | USB | UART | LCD Debug | Touch Driver | LITE | SCK | POCI | PICO | CS | RST | WAIT | INT | BSY | PEN | MSP_TX | MSP_RX | Swan Ganz Interface v2.0 / Nathan DeLaRosa / Ashton Knecht / Jack Son / Jerry Xia / Dr. Jonathan Valvano
User.1: Maybe reduce traces to pads down to around 0.2mm | RST Button | Ashton | LCD Driver | FT232 and Power | Touch Screen Driver | Programming Pins | Speaker Driver | Jack | MSPM0+ | Make sure this is centered | Buttons - Joypad Layout | Pressure 1 | Voltage Reference | Thermistor | Pressure 2 | User 1: Block Diagram | Front - Horizontal Traces / Back - Vertical Traces | Micro-USB
